# Altium PCB PROC114E3_BRD.PcbDoc (part 11 of 18) (continued)
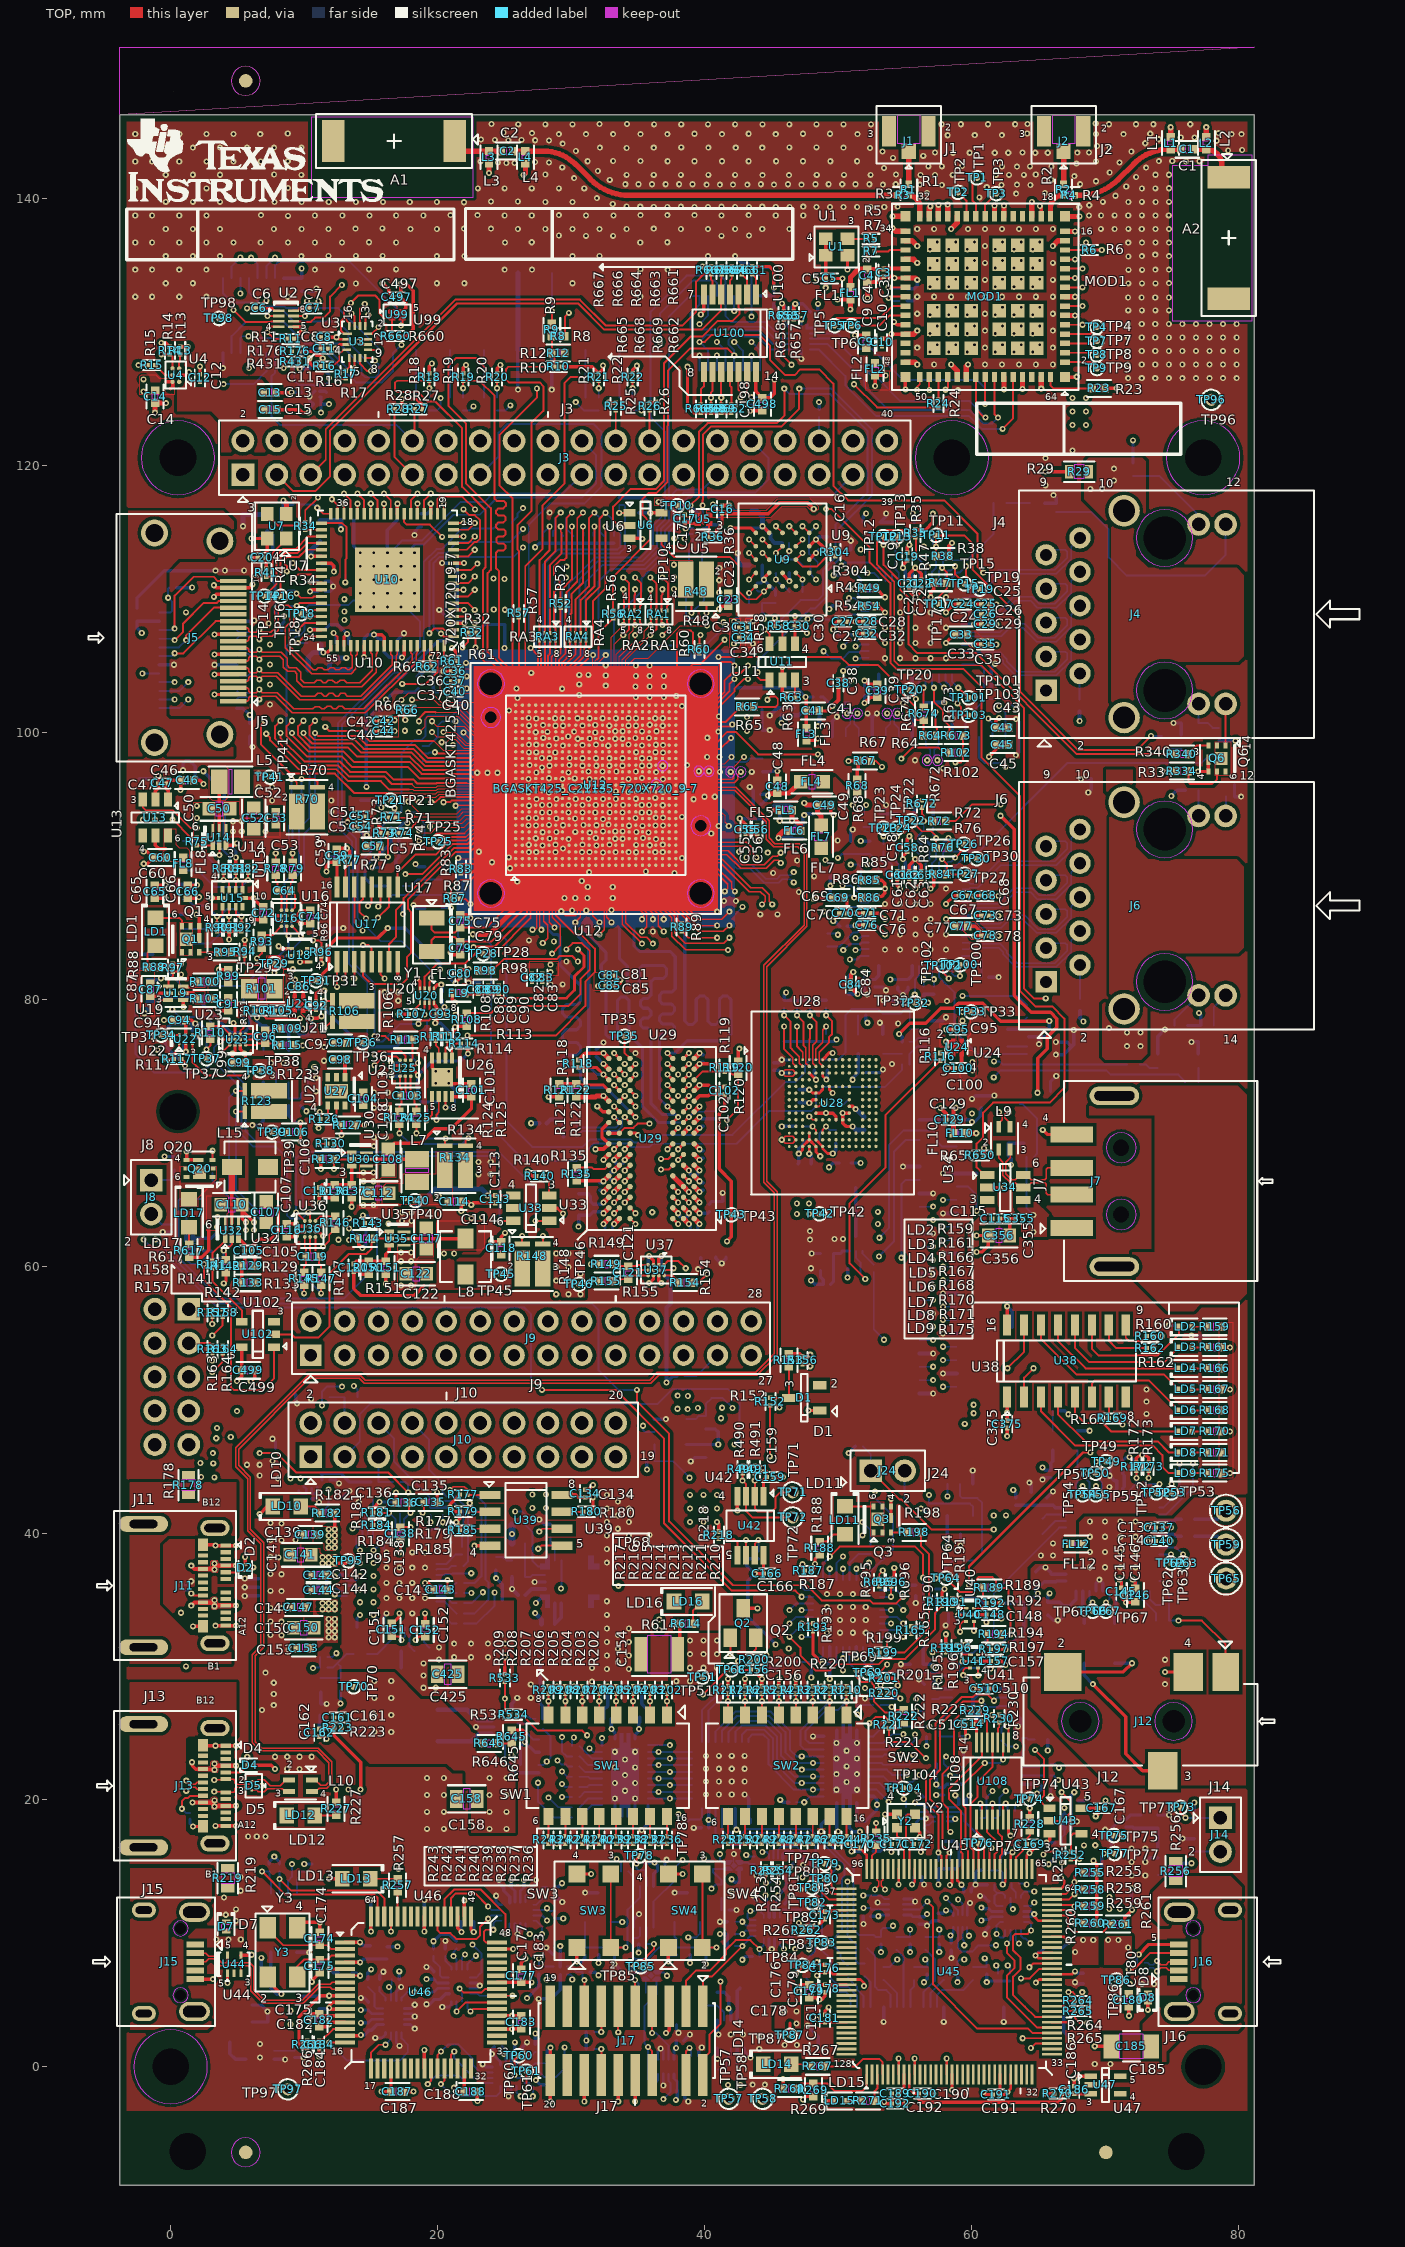
[diagram p0: TOP view]
## Nets (pads, with @x,y where several pads share a name; then routed paths per layer and width w, separated by ;. In a path a pad name is that pad's centre, name@x,y a point inside that pad or via, vN(x,y) a via of type N, cw(c..) or ccw(c..) an arc to the next point about the centre after c; other vN are vias at no path point) (continued)
  BOTTOM w0.147: 15.577,48.247 16.727,47.096 16.727,45.375 19.688,42.414 21.11,42.414 21.948,41.577 21.948,40.312 21.819,40.183 21.819,38.966 ; v1(19.927,70.956) 19.995,71.024 19.995,71.739 ; v1(53.086,60.731) 54.204,61.849 54.204,68.555 55.108,69.459 56.112,69.459
SOC_I2C0_SDA:  | length 211
  TOP w0.081: 22.65,97.196 23.005,97.55 25.856,97.55 25.861,97.545
  TOP w0.147: v1(9.953,100.874) 9.549,100.47 9.549,99.792 10.479,98.862 13.303,98.862 13.979,98.186 17.935,98.186 18.926,97.196 22.65,97.196 ; v1(19.166,70.917) 19.592,71.343 19.592,72.705
  L03_SIG1 w0.091: v1(9.953,100.874) 9.953,105.311 11.399,106.757 11.399,115.315 9.438,117.277 9.438,122.293 10.075,122.93 31.257,122.93 31.891,122.296 31.891,119.009 32.838,118.062 33.876,118.062 34.802,118.988 34.802,119.717 35.458,120.373 37.378,120.373 38.437,119.314 ; 18.117,48.247 19.213,49.342 19.213,66.953 19.432,67.172 19.432,70.651 v1(19.166,70.917)
  L08_SIG2 w0.091: v1(9.953,100.874) 10.339,100.487 10.339,99.089 14.424,95.005 17.075,95.005 17.684,94.395 17.921,94.395 18.151,94.165 18.151,93.071 18.045,92.964 18.045,91.505 18.922,90.627 18.922,83.682 17.898,82.658 17.898,77.225 18.129,76.994 18.129,71.953 v1(19.166,70.917) ; 18.117,48.247 19.345,47.018 37.976,47.018 38.751,47.794 44.749,47.794 52.654,55.699 52.654,61.671 v1(53.111,62.128)
  BOTTOM w0.147: 18.117,48.247 19.369,46.995 19.369,44.739 20.389,43.719 20.389,43.043 20.698,42.733 21.345,42.733 22.301,41.777 22.301,37.869 21.948,37.515 ; v1(19.166,70.917) 19.233,70.984 19.233,71.739 ; v1(53.111,62.128) 53.848,62.865 53.848,69.088 54.915,70.155 57.099,70.155 57.506,69.748 57.506,69.291 57.838,68.959 58.912,68.959
SOC_I2C1_SCL:  | length 326.8
  TOP w0.081: 22.468,98.08 22.682,98.294 26.111,98.294 26.36,98.045
  TOP w0.147: v1(3.718,75.93) 3.767,75.93 4.422,76.585 ; 5.222,77.385 5.222,77.63 5.47,77.878 v1(5.47,78.216) ; 9.101,85.469 9.756,84.814 v1(9.756,84.764) ; v1(9.406,64.032) 10.05,63.388 ; v1(10.817,99.959) 11.03,99.746 13.969,99.746 14.644,99.07 18.302,99.07 19.293,98.08 22.468,98.08 ; v1(15.276,75.057) 15.946,75.728 16.898,75.728 17.191,75.435 ; 17.991,75.035 18.335,75.035 v1(18.525,75.226) ; v1(20.258,107.401) 20.469,107.19 21.195,107.19 ; v1(27.335,63.398) 28.364,63.398 ; 36.983,60.1 37.269,60.386 38.058,60.386 v1(38.603,59.841) ; v1(39.867,117.011) 39.867,117.415 39.88,117.427 39.88,122.303 40.508,122.931 45.786,122.931 47.106,124.251 v1(47.106,125.766) ; 43.776,44.488 v1(43.776,43.926) 43.776,42.745 43.776,41.847 44.018,41.605 45.06,41.605 45.314,41.859 45.314,42.697 45.669,43.053 46.609,43.053 ; v1(43.994,104.511) 43.994,104.137 44.2,103.932 44.89,103.932
  L03_SIG1 w0.091: v1(10.817,99.959) 11.203,100.345 11.203,101.519 16.483,106.799 19.656,106.799 v1(20.258,107.401) ; v1(27.335,63.398) 29.078,61.656 37.277,61.656 38.603,60.33 v1(38.603,59.841) 38.603,59.465 40.547,57.521 43.895,57.521 44.897,56.519 44.897,52.803 43.25,51.156 42.455,51.156 40.284,48.985 40.284,45.822 41.377,44.729 42.973,44.729 v1(43.776,43.926) 43.776,42.278 41.707,40.208 41.707,34.611 45.697,30.621 v1(50.392,30.621) ; 46.609,43.053 45.466,41.91 45.466,38.202 47.066,36.601 48.692,36.601 49.708,35.585 49.708,35.204 49.962,34.95 52.4,34.95 52.73,34.62 52.73,32.334 53.67,31.394 55.905,31.394 56.769,30.531 57.226,30.531 59.868,27.889 62.408,27.889 63.119,28.6 63.119,31.953 63.398,32.233 63.398,39.192 66.37,42.164 70.485,42.164 71.78,43.459 71.78,44.272 72.365,44.856 75.238,44.856 v1(75.604,45.223)
  L08_SIG2 w0.091: v1(5.47,78.216) 4.993,78.693 4.25,78.693 3.341,77.785 3.341,76.306 v1(3.718,75.93) 4.15,76.363 5.932,76.363 6.608,75.687 11.252,75.687 11.339,75.773 14.559,75.773 v1(15.276,75.057) ; v1(26.411,113.863) 25.803,114.472 25.803,117.27 26.724,118.192 38.686,118.192 v1(39.867,117.011) 39.021,116.164 38.555,116.164 38.17,115.779 38.17,114.86 v1(38.502,114.528)
  BOTTOM w0.147: v1(3.718,75.93) 3.718,75.473 5.618,73.572 5.618,70.108 6.409,69.317 8.179,69.317 9.406,68.089 ; v1(5.47,78.216) 5.47,80.447 7.583,82.56 7.913,82.56 9.756,84.403 v1(9.756,84.764) 9.055,85.465 9.055,88.838 9.989,89.771 9.989,92.381 10.817,93.209 v1(10.817,99.959) ; v1(9.406,64.032) 9.406,68.089 ; v1(15.276,75.057) 16.14,75.922 17.829,75.922 v1(18.525,75.226) ; v1(20.258,107.401) 19.685,107.974 19.685,112.661 20.174,113.15 25.698,113.15 v1(26.411,113.863) ; v1(27.335,63.398) 27.335,65.823 24.597,68.562 9.879,68.562 9.406,68.089 ; v1(38.502,114.528) 38.858,114.884 39.114,114.884 ; v1(39.867,117.011) 39.867,116.607 39.879,116.595 39.879,116.573 39.914,116.539 39.914,115.684 ; v1(43.994,104.511) 43.994,105.326 47.949,109.281 48.267,109.281 49.201,110.216 49.201,112.08 50.125,113.003 50.125,113.265 50.124,115.33 52.546,117.752 52.546,122.731 49.511,125.766 v1(47.106,125.766) ; v1(50.392,30.621) 50.392,31.472 ; 75.604,44.664 v1(75.604,45.223)
SOC_I2C1_SDA:  | length 333.7
  TOP w0.081: 22.696,98.003 22.738,98.045 25.861,98.045
  TOP w0.147: v1(3.718,76.844) 3.858,76.985 4.422,76.985 ; 8.701,85.469 8.701,84.905 v1(8.841,84.764) ; v1(10.31,64.032) 10.45,63.892 10.45,63.388 ; v1(10.817,100.874) 10.413,100.47 10.413,99.792 10.753,99.451 13.781,99.451 14.456,98.776 18.18,98.776 19.17,97.785 22.496,97.785 22.696,97.985 22.696,98.003 ; v1(15.276,75.819) 15.561,76.105 17.266,76.105 17.591,75.78 17.591,75.435 ; v1(19.386,107.436) 19.735,107.785 20.417,107.785 20.512,107.69 21.195,107.69 ; v1(24.635,63.398) 25.664,63.398 ; 36.983,59.7 37.548,59.7 v1(37.688,59.841) ; v1(38.953,117.011) 39.585,117.642 39.585,122.516 40.249,123.18 45.419,123.18 45.988,123.749 v1(45.988,125.766) ; 42.862,44.488 v1(42.862,43.926) 43.126,43.662 43.126,42.745 43.126,41.634 43.586,41.173 46.609,41.173 ; v1(44.522,107.721) 44.89,107.353 44.89,106.632
  L03_SIG1 w0.091: v1(10.817,100.874) 10.817,101.405 16.403,106.992 18.942,106.992 v1(19.386,107.436) ; v1(24.635,63.398) 26.161,63.398 28.183,61.377 37.251,61.377 37.688,60.94 v1(37.688,59.841) 40.201,57.328 43.815,57.328 44.704,56.439 44.704,52.883 43.17,51.349 42.375,51.349 40.078,49.051 40.078,45.419 41.224,44.272 42.516,44.272 v1(42.862,43.926) 42.862,42.887 41.478,41.504 41.478,34.018 44.21,31.286 44.21,30.669 44.694,30.185 48.116,30.185 48.595,29.706 v1(50.392,29.706) ; 46.609,41.173 45.872,40.437 45.872,38.202 47.219,36.855 48.768,36.855 49.632,35.992 52.299,35.992 53.01,35.281 53.01,32.41 53.772,31.648 57.074,31.648 58.09,30.632 58.09,29.997 59.207,28.88 61.443,28.88 62.001,29.439 62.001,32.639 62.763,33.401 62.763,39.091 66.103,42.431 70.421,42.431 71.552,43.561 71.552,44.501 72.263,45.212 74.803,45.212 75.235,45.644 76.199,45.644 v1(76.62,45.223)
  L08_SIG2 w0.091: v1(3.718,76.844) 6.086,76.844 7.05,75.88 10.987,75.88 11.144,76.037 14.681,76.037 14.9,75.819 v1(15.276,75.819) ; v1(26.411,115.245) 26.035,115.621 26.035,117.083 26.945,117.992 37.972,117.992 v1(38.953,117.011)
  BOTTOM w0.147: v1(3.718,76.844) 3.24,76.366 3.24,75.373 ; v1(10.817,100.874) 10.413,100.47 10.413,93.617 9.627,92.831 9.627,89.886 8.524,88.783 8.524,85.081 v1(8.841,84.764) 8.841,83.975 7.924,83.057 7.581,83.057 5.523,80.999 0.82,80.999 -0.491,82.311 -2.469,82.311 -2.65,82.13 -2.65,75.914 -1.267,74.531 2.398,74.531 3.24,75.373 ; v1(19.386,107.436) 19.386,112.779 20.052,113.445 20.652,113.445 21.482,114.275 25.441,114.275 v1(26.411,115.245) ; v1(24.635,63.398) 24.635,67.905 24.273,68.267 10.379,68.267 9.883,67.77 9.883,64.459 v1(10.31,64.032) 9.866,63.589 8.952,63.589 8.716,63.824 8.716,68.135 7.886,68.965 6.207,68.965 5.323,69.848 5.323,73.29 3.24,75.373 ; v1(38.953,117.011) 39.514,116.45 39.514,115.684 ; v1(44.522,107.721) 45.021,107.721 47.216,109.916 48.485,109.916 48.892,110.323 48.892,112.187 49.83,113.125 49.83,115.586 52.229,117.985 52.229,122.57 49.438,125.362 46.392,125.362 v1(45.988,125.766) ; 49.891,31.472 49.891,30.206 v1(50.392,29.706) ; 76.62,44.664 v1(76.62,45.223)
SOC_I2C1_TA_SCL:  | length 46
  TOP w0.147: 43.776,38.345 43.776,39.212 v1(44.041,39.476)
  L03_SIG1 w0.091: v1(44.041,39.476) 44.041,38.967 46.939,36.068 47.523,36.068 48.539,35.052 48.539,32.487 49.022,32.004 51.46,32.004 51.74,31.725 52.4,31.725 53.238,30.886 53.238,30.048 53.797,29.489 54.788,29.489 55.499,28.778 55.499,27.915 v1(55.855,27.559) 56.312,27.102 56.312,26.365 55.918,25.971 55.004,25.971 53.645,24.613 53.645,21.158 52.426,19.939 52.426,15.977 50.724,14.275 v1(50.724,13.873)
  BOTTOM w0.147: 44.041,38.625 v1(44.041,39.476) ; v1(50.724,13.873) 50.724,9.778 51.374,9.128 51.374,7.888 51.523,7.739 52.016,7.739 ; v1(55.855,27.559) 56.489,27.559
SOC_I2C1_TA_SDA:  | length 46.3
  TOP w0.147: 43.126,38.345 v1(43.126,39.476)
  L03_SIG1 w0.091: v1(43.126,39.476) 46.804,35.799 47.386,35.799 48.311,34.874 48.311,32.36 48.946,31.725 51.41,31.725 51.664,31.471 52.27,31.471 53.02,30.721 53.02,29.936 53.721,29.235 54.635,29.235 55.169,28.702 55.169,27.356 v1(55.855,26.67) 55.143,26.67 53.315,24.841 53.315,21.107 52.095,19.888 52.095,16.561 50.48,14.945 v1(50.001,14.945)
  BOTTOM w0.147: 43.126,38.625 v1(43.126,39.476) ; 49.476,7.618 49.476,8.08 48.807,8.748 48.807,13.752 v1(50.001,14.945) ; v1(55.855,26.67) 56.489,26.67
SOC_I2C1_XDS_SCL:  | length 19.1
  TOP w0.147: 57.758,14.837 57.758,15.821 v1(57.536,16.043) 57.536,18.893 56.591,19.837 56.591,21.666 57.328,22.403 57.328,25.756 59.284,27.711 60.122,27.711 60.3,27.889 61.239,27.889 v1(61.697,27.432)
  BOTTOM w0.147: 57.536,15.413 v1(57.536,16.043) ; v1(61.697,27.432) 61.946,27.681 62.954,27.681
SOC_I2C1_XDS_SDA:  | length 18.7
  TOP w0.147: 58.158,14.837 58.158,15.821 v1(58.38,16.043) 57.861,16.561 57.861,19.101 56.921,20.041 56.921,21.514 57.658,22.25 57.658,25.629 59.411,27.381 60.706,27.381 v1(60.757,27.432)
  BOTTOM w0.147: v1(58.38,16.043) 58.425,15.997 58.425,15.413 ; v1(60.757,27.432) 61.239,26.949 61.976,26.949 62.058,27.031 62.954,27.031
SOC_I2C2_SCL:  | length 59.3
  TOP w0.102: v1(30.24,100.061) 30.36,100.181 30.36,100.545
  TOP w0.147: 42.56,127.021 42.56,125.646 42.704,125.502 v1(42.704,125.098)
  L08_SIG2 w0.091: v1(30.24,100.061) 31.17,100.061 31.333,100.223 31.333,100.627 31.047,100.913 31.047,101.294 30.269,102.071 30.269,103.605 28.262,105.612 26.642,105.612 25.348,106.906 22.109,106.906 20.762,108.253 20.762,109.14 19.303,110.599 19.303,115.438 20.103,116.238 20.103,117.371 20.603,117.871 21.223,117.871 21.894,118.541 21.894,122.664 23.014,123.785 30.261,123.785 30.603,123.443 41.049,123.443 v1(42.704,125.098)
  BOTTOM w0.147: v1(42.704,125.098) 43.207,124.595 43.53,124.595 43.766,124.359 44.194,124.359
SOC_I2C2_SDA:  | length 55.5
  TOP w0.081: 30.36,101.545 30.612,101.796 30.612,102.295 30.975,102.659 30.975,103.25 v1(30.625,103.601)
  TOP w0.147: 43.21,127.021 43.21,125.446 v1(43.535,125.121)
  L08_SIG2 w0.091: v1(30.625,103.601) 30.532,103.601 28.338,105.795 26.718,105.795 25.424,107.089 22.199,107.089 20.991,108.297 20.991,109.233 19.496,110.728 19.496,115.358 22.121,117.983 22.121,122.57 23.109,123.557 30.166,123.557 30.508,123.215 41.629,123.215 v1(43.535,125.121)
  BOTTOM w0.147: v1(43.535,125.121) 44.194,125.121
SOC_MMC0_CLK:  | length 5.2
  TOP w0.081: 36.36,89.685 36.36,90.045
  TOP w0.102: 36.36,89.685 36.461,89.584 36.461,87.834 38.012,86.283 38.012,85.964 38.292,85.685
SOC_MMC0_CMD:  | length 33.9
  TOP w0.102: v1(34.885,91.017) 34.913,91.045 35.361,91.045
  TOP w0.147: v1(48.11,70.472) 48.36,70.222 48.36,69.972
  L03_SIG1 w0.091: v1(42.864,86.929) 43.118,86.675 43.118,85.607 49.233,79.492 49.411,79.492 49.816,79.087 49.816,77.42 49.234,76.839 49.234,75.392 47.309,73.467 47.309,71.054 47.891,70.472 v1(48.11,70.472)
  BOTTOM w0.14: 47.412,70.472 v1(48.11,70.472)
  BOTTOM w0.147: v1(34.885,91.017) 34.885,89.676 38.444,86.116 42.051,86.116 v1(42.864,86.929)
SOC_MMC0_DAT0:  | length 36.1
  TOP w0.081: 35.86,90.545 36.111,90.294 36.111,89.876 36.161,89.827
  TOP w0.102: 36.161,89.827 36.161,87.826 37.776,86.21 37.776,84.981 38.557,84.2 41.462,84.2 v1(41.873,84.611) ; 47.179,76.228 47.36,76.047 47.36,75.472
  TOP w0.147: v1(46.94,77.954) 46.94,76.466 47.179,76.228
  L03_SIG1 w0.091: v1(41.873,84.611) 41.873,84.523 43.57,82.827 43.57,74.005 44.362,73.213 45.89,73.213 47.357,74.68 47.357,76.035 45.556,77.836 45.556,78.202 45.734,78.379 46.515,78.379 v1(46.94,77.954)
  BOTTOM w0.147: 46.94,77.395 v1(46.94,77.954)
SOC_MMC0_DAT1:  | length 35.6
  TOP w0.081: 35.86,90.045 35.86,89.868 35.961,89.768 35.961,89.281
  TOP w0.102: 35.961,89.281 35.836,89.156 35.836,87.855 37.565,86.126 37.565,84.735 38.603,83.697 v1(41.772,83.697) ; 47.86,75.472 47.86,76.794
  TOP w0.147: 47.86,76.794 47.86,77.015 47.906,77.061 v1(47.906,77.954)
  L03_SIG1 w0.091: v1(41.772,83.697) 43.016,82.452 43.016,76.109 42.432,75.524 42.432,72.934 43.219,72.146 45.6,72.146 47.906,74.452 v1(47.906,77.954)
  BOTTOM w0.147: 47.906,77.395 v1(47.906,77.954)
SOC_MMC0_DAT2:  | length 35.7
  TOP w0.102: 35.86,91.045 36.286,91.045 36.302,91.029 v1(36.318,91.029) ; 48.36,75.472 48.36,76.271 48.579,76.49
  TOP w0.147: 48.579,76.49 48.871,76.781 48.871,77.7 v1(49.125,77.954)
  L03_SIG1 w0.091: v1(36.318,91.029) 37.477,89.87 38.975,89.87 39.113,90.009 39.113,90.931 39.252,91.069 39.447,91.069 39.586,90.931 39.586,90.009 39.724,89.87 39.92,89.87 40.058,90.009 40.058,90.931 40.197,91.069 40.392,91.069 40.531,90.931 40.531,90.009 40.669,89.87 40.888,89.87 41.107,89.651 41.107,87.187 41.289,87.005 42.254,87.005 42.935,86.324 42.935,85.402 49.12,79.217 49.298,79.217 49.541,78.974 49.541,77.534 48.96,76.952 48.96,75.506 48.749,75.296 48.325,75.296 48.18,75.441 48.18,77.009 v1(49.125,77.954)
  BOTTOM w0.147: 49.125,77.395 v1(49.125,77.954)
SOC_MMC0_DAT3:  | length 35.8
  TOP w0.102: 35.361,91.545 v1(35.903,91.545) ; 46.293,75.945 46.61,75.629 46.61,75.222 46.86,74.972
  TOP w0.147: v1(45.975,77.954) 45.975,76.263 46.293,75.945
  L03_SIG1 w0.091: v1(35.903,91.545) 35.903,90.613 36.436,90.08 36.436,88.911 40.311,85.037 41.124,85.037 41.518,84.643 41.518,84.186 41.63,84.073 41.936,84.073 43.296,82.713 43.296,73.365 43.981,72.68 45.745,72.68 47.631,74.566 47.631,76.298 v1(45.975,77.954)
  BOTTOM w0.147: 45.975,77.395 v1(45.975,77.954)
SOC_MMC0_DAT4:  | length 35.8
  TOP w0.081: 36.36,90.545 36.612,90.294 36.612,89.766 36.744,89.633
  TOP w0.102: 36.744,89.633 36.744,87.867 39.53,85.081 41.429,85.081 v1(41.873,85.526) ; 46.585,76.237 47.11,75.713 47.11,75.222 47.36,74.972
  TOP w0.147: v1(45.975,78.801) 46.458,78.318 46.458,76.365 46.585,76.237
  L03_SIG1 w0.091: v1(41.873,85.526) 41.873,85.114 42.587,84.4 42.587,84.197 43.874,82.91 43.874,74.089 44.471,73.492 45.782,73.492 47.083,74.793 47.083,75.921 45.282,77.722 45.282,78.476 45.607,78.801 v1(45.975,78.801)
  BOTTOM w0.147: v1(45.975,78.801) 45.975,79.36
SOC_MMC0_DAT5:  | length 35.8
  TOP w0.081: 36.86,90.045 36.86,89.776 36.924,89.712
  TOP w0.102: 36.924,89.712 37.05,89.587 37.05,87.886 39.41,85.526 v1(40.959,85.526) ; 47.507,76.459 47.61,76.356 47.61,75.222 47.86,74.972
  TOP w0.14: v1(46.94,78.801) 47.423,78.318 47.423,76.543 47.507,76.459
  L03_SIG1 w0.091: v1(40.959,85.526) 41.321,85.888 42.007,85.888 42.013,85.881 42.02,85.881 42.33,85.571 42.33,84.973 42.35,84.953 42.35,84.952 42.862,84.44 42.862,84.311 44.149,83.024 44.149,74.24 44.566,73.823 45.724,73.823 46.801,74.9 46.801,75.815 45.008,77.608 45.008,78.811 45.373,79.177 46.565,79.177 v1(46.94,78.801)
  BOTTOM w0.147: v1(46.94,78.801) 46.94,79.36
SOC_MMC0_DAT6:  | length 35.7
  TOP w0.081: 37.361,90.545 37.611,90.295 38.012,90.295
  TOP w0.102: 38.012,90.295 38.157,90.15 38.157,87.419 39.136,86.44 40.832,86.44 v1(40.959,86.567) ; 48.274,76.707 48.11,76.543 48.11,75.222 48.36,74.972
  TOP w0.147: v1(47.906,78.801) 48.388,78.318 48.388,76.821 48.274,76.707
  L03_SIG1 w0.091: v1(40.959,86.567) 41.384,86.142 42.127,86.142 42.534,85.735 42.534,85.1 43.136,84.498 43.136,84.425 44.423,83.138 44.423,74.372 44.698,74.097 45.17,74.097 45.404,74.331 45.404,76.824 44.733,77.494 44.733,79.273 44.911,79.451 47.255,79.451 v1(47.906,78.801)
  BOTTOM w0.147: v1(47.906,78.801) 47.906,79.36
SOC_MMC0_DAT7:  | length 35.6
  TOP w0.081: 36.86,90.545 37.111,90.295 37.111,89.878
  TOP w0.102: 37.111,89.878 37.366,89.623 37.366,87.869 39.253,85.982 41.288,85.982 v1(41.873,86.567) ; 48.859,76.287 48.601,76.029 48.601,75.231 48.86,74.972
  TOP w0.147: 48.859,76.287 49.353,76.781 49.353,77.184 49.569,77.4 49.569,78.356 v1(49.125,78.801)
  L03_SIG1 w0.091: v1(41.873,86.567) 42.26,86.567 42.752,86.075 42.752,85.197 44.697,83.252 44.697,82.814 44.82,82.691 45.231,82.691 45.354,82.569 45.354,82.395 45.231,82.272 44.82,82.272 44.697,82.149 44.697,81.81 44.82,81.687 46.239,81.687 46.361,81.565 46.361,81.391 46.239,81.268 44.82,81.268 44.697,81.146 44.697,80.972 44.82,80.849 45.629,80.849 45.752,80.727 45.752,80.553 45.629,80.43 44.82,80.43 44.697,80.307 44.697,79.939 44.845,79.792 46.579,79.792 46.701,79.914 46.701,80.736 46.824,80.858 47.08,80.858 47.207,80.731 47.207,79.888 47.532,79.563 47.781,79.563 47.997,79.778 48.17,79.778 48.294,79.655 48.294,78.502 48.477,78.318 48.985,78.318 49.125,78.458 v1(49.125,78.801)
  BOTTOM w0.147: v1(49.125,78.801) 49.125,79.36
SOC_MMC2_CLK:  | length 7.1
  TOP w0.081: 27.361,102.045 27.361,102.616
  TOP w0.147: 26.09,108.643 26.09,104.847 27.361,103.576 27.361,102.616
SOC_OSPI_DQ0:  | length 5
  TOP w0.081: 27.758,103.94 27.86,103.837 27.86,102.045
  TOP w0.147: 27.645,106.909 27.645,106.144 27.758,106.03 27.758,103.94
SOC_OSPI_DQ1:  | length 5.6
  TOP w0.081: 28.538,104.277 28.612,104.204 28.612,101.794 28.86,101.545
  TOP w0.147: 28.538,104.277 28.538,105.627 28.844,105.933 28.844,106.909
SOC_OSPI_DQ2:  | length 5
  TOP w0.081: 28.294,104.14 28.361,104.074 28.361,102.045
  TOP w0.147: 28.294,104.14 28.294,105.764 28.444,105.914 28.444,106.909
SOC_OSPI_DQ3:  | length 5.5
  TOP w0.081: 28.045,104.023 28.111,103.957 28.111,101.795 28.36,101.545
  TOP w0.147: 28.045,104.023 28.045,106.909
SOC_OSPI_DQ4:  | length 6.5
  TOP w0.081: 29.797,103.629 29.882,103.544 29.882,103.028 29.61,102.756 29.61,101.421 29.727,101.304 29.727,101.178 29.86,101.045
  TOP w0.147: 29.797,103.629 29.797,104.859 30.727,105.789 30.727,106.909
SOC_OSPI_DQ5:  | length 5.4
  TOP w0.081: 29.86,102.045 29.86,102.777 30.069,102.985 30.069,103.634 30.026,103.678
  TOP w0.147: 30.026,103.678 30.026,104.733 31.01,105.717 31.01,106.294 31.127,106.412 31.127,106.909
SOC_OSPI_DQ6:  | length 5.4
  TOP w0.081: 29.361,102.045 29.361,102.737 29.716,103.093 29.716,103.434 29.568,103.581
  TOP w0.147: 29.568,103.581 29.568,105.063 30.328,105.822 30.328,106.909
SOC_OSPI_DQ7:  | length 6.8
  TOP w0.147: v1(29.34,103.273) 29.34,105.233 29.928,105.82 29.928,106.909 ; v1(29.377,101.061) 29.552,100.886 29.564,100.886 29.788,100.661 29.788,100.65 29.86,100.577 29.86,100.545
  L08_SIG2 w0.091: v1(29.34,103.273) 29.34,102.897 29.377,102.86 v1(29.377,101.061)
SOC_PORZ:  | length 47.1
  L08_SIG2 w0.091: v1(27.598,8.113) 28.803,8.113 31.886,11.195 31.886,19.644 30.632,20.898 30.632,24.892 31.178,25.438 32.322,25.438 32.893,24.867 35.789,24.867 36.678,25.755 51.591,25.755 52.456,26.62 52.456,27.959 v1(52.039,28.376)
  BOTTOM w0.147: v1(27.598,8.113) 27.598,7.498 28.699,7.498 ; v1(52.039,28.376) 52.316,28.099 52.602,28.099
SOC_RGMII_MDC:  | length 44.4
  TOP w0.081: 37.361,101.545 37.612,101.796 37.612,102.148 37.757,102.294 38.13,102.294 38.266,102.431 38.266,102.941
  TOP w0.147: 38.266,102.941 38.266,104.254 39.149,105.136 39.71,105.136 v1(41.518,106.944) ; v1(58.806,97.761) 59.218,97.761 59.365,97.908 59.365,98.487 59.365,99.757
  L08_SIG2 w0.091: v1(41.518,106.944) 41.732,107.159 44.708,107.159 45.912,108.363 45.912,108.664 46.504,109.256 46.802,109.256 49.052,111.505 49.052,112.077 49.854,112.879 56.853,112.879 57.133,112.598 57.133,112.249 57.587,111.796 57.587,101.927 58.038,101.476 58.038,100.899 58.806,100.131 v1(58.806,97.761)
SOC_RGMII_MDIO:  | length 27.6
  TOP w0.147: 36.361,100.545 v1(36.876,101.061) ; v1(41.06,105.649) 50.222,105.649 50.806,105.065 52.977,105.065 54.708,103.334 54.708,102.995 55.833,101.87 55.833,101.022 55.943,100.912 56.435,100.912 56.435,99.757
  L08_SIG2 w0.091: v1(36.876,101.061) 37.41,101.594 37.41,103.787 37.78,104.158 37.78,104.375 39.232,105.827 40.883,105.827 v1(41.06,105.649)
SOC_SPI2_CLK:  | length 61.3
  TOP w0.081: v1(20.442,100.022) 21.347,100.022 22.183,99.186 25.116,99.186 25.475,99.545 25.861,99.545
  TOP w0.147: 14.594,128.072 15.108,128.072 v1(15.316,127.864)
  L08_SIG2 w0.091: v1(15.316,127.864) 15.545,127.635 15.545,126.924 14.49,125.869 10.384,125.869 9.818,125.303 9.818,123.24 9.438,122.86 9.438,118.203 10.257,117.385 10.257,117.039 13.562,113.733 13.562,107.578 15.919,105.221 17.92,105.221 19.497,103.644 19.497,103.055 19.939,102.612 19.939,100.526 v1(20.442,100.022)
  BOTTOM w0.147: 4.571,128.444 4.571,129.699 5.631,130.758 8.478,130.758 10.077,129.159 12.624,129.159 14.3,127.483 14.3,126.898 14.58,126.619 15.342,126.619 15.57,126.848 15.57,127.61 v1(15.316,127.864)
SOC_SPI2_CS0:  | length 58
  TOP w0.102: v1(27.402,99.083) 27.44,99.045 27.86,99.045
  TOP w0.147: v1(13.794,127.277) 13.794,128.072
  L03_SIG1 w0.091: v1(21.156,99.053) 21.698,98.511 22.609,98.511 22.706,98.607 25.862,98.607 26.776,99.521 26.964,99.521 v1(27.402,99.083)
  L08_SIG2 w0.091: v1(13.794,127.277) 13.794,127.928 14.891,129.025 15.672,129.025 16.094,128.602 16.094,126.604 11.749,122.259 11.749,118.795 11.619,118.664 11.619,117.387 14.66,114.346 14.66,107.142 15.557,106.244 17.654,106.244 20.307,103.591 20.644,103.591 20.817,103.419 20.817,100.596 20.985,100.428 20.985,99.224 v1(21.156,99.053)
  BOTTOM w0.147: 6.521,128.444 6.521,129.42 6.665,129.564 9.115,129.564 9.887,128.791 11.727,128.791 13.241,127.277 v1(13.794,127.277)
SOC_SPI2_D0:  | length 62.9
  TOP w0.081: v1(19.579,100.022) 19.943,99.658 21.43,99.658 22.065,99.023 25.232,99.023 25.504,99.295 26.11,99.295 26.36,99.045
  TOP w0.147: 14.194,128.072 14.194,127.614 14.707,127.102 v1(15.011,127.102)
  L08_SIG2 w0.091: v1(15.011,127.102) 14.053,126.144 10.27,126.144 9.209,125.083 9.209,117.674 12.643,114.24 12.643,107.674 12.781,107.536 12.781,105.375 13.21,104.946 17.789,104.946 19.191,103.544 19.191,100.41 v1(19.579,100.022)
  BOTTOM w0.147: 3.921,134.044 3.921,132.902 4.592,132.231 6.139,132.231 6.754,131.616 8.421,131.616 9.243,130.795 12.487,130.795 13.335,129.946 13.335,129.21 15.011,127.533 v1(15.011,127.102)
SOC_SPI2_D1:  | length 56
  TOP w0.081: v1(20.314,99.266) 20.684,99.266 20.891,99.472 21.317,99.472 21.96,98.829 25.369,98.829 25.584,99.045 25.861,99.045
  TOP w0.147: 14.794,128.672 15.423,128.672 15.507,128.587 v1(15.557,128.587)
  L08_SIG2 w0.091: v1(15.557,128.587) 15.824,128.32 15.824,126.682 11.556,122.414 11.556,118.875 11.424,118.743 11.424,117.309 13.837,114.896 13.837,107.692 15.525,106.003 17.536,106.003 19.696,103.843 19.696,103.133 20.151,102.677 20.151,100.957 20.802,100.306 20.802,99.754 v1(20.314,99.266)
  BOTTOM w0.147: 5.871,134.044 5.871,132.976 6.936,131.911 8.543,131.911 8.649,131.804 12.57,131.804 15.58,128.794 15.58,128.61 v1(15.557,128.587)
SOC_TCK:  | length 144
  TOP w0.114: v1(21.355,94.508) 21.392,94.545 25.861,94.545
  L03_SIG1 w0.091: v1(39.51,49.376) 39.185,49.051 39.185,48.82 37.875,47.51 37.875,36.96 43.646,31.188 43.646,30.522 44.907,29.261 44.907,28.981 45.491,28.397 48.311,28.397 48.971,27.737 48.971,26.772 49.428,26.314 49.428,19.229 48.106,17.906 48.106,12.238 47.995,12.126 47.995,8.951 v1(47.842,8.799)
  L08_SIG2 w0.091: v1(21.355,94.508) 21.355,92.065 21.198,91.907 21.198,90.322 21.413,90.106 21.413,88.034 20.589,87.21 20.589,83.067 20.933,82.723 20.933,80.111 20.922,80.1 20.922,76.082 21.887,75.117 21.887,70.602 21.454,70.17 21.454,67.323 22.549,66.228 24.084,66.228 25.219,65.093 29.747,65.093 31.394,63.445 31.394,62.669 34.679,59.385 36.644,59.385 37.81,58.219 44.263,58.219 45.588,56.894 45.588,52.242 43.978,50.632 40.767,50.632 v1(39.51,49.376) ; v1(47.842,8.799) 47.842,9.744 48.025,9.927 48.025,11.013 48.249,11.237 48.757,11.237 52.271,14.751 63.055,14.751 v1(64.149,13.656)
  BOTTOM w0.147: 47.461,9.484 47.461,9.129 47.791,8.799 v1(47.842,8.799) ; 63.591,13.752 64.054,13.752 v1(64.149,13.656)
SOC_TDI:  | length 151.9
  TOP w0.147: v1(19.528,94.771) 19.845,94.771 20.231,95.157 25.231,95.157 25.344,95.045 25.861,95.045
  L03_SIG1 w0.091: v1(37.987,49.312) 37.987,48.609 37.215,47.837 37.215,47.783 37.215,36.571 42.94,30.846 42.94,29.656 41.3,28.016 41.3,25.959 44.616,22.643 44.616,19.441 46.049,18.009 46.049,14.847 46.217,14.679 46.217,13.154 45.963,12.9 v1(45.963,8.811)
  L08_SIG2 w0.091: v1(19.528,94.771) 19.783,94.516 19.783,83.355 19.145,82.718 19.145,80.955 19.713,80.387 19.713,78.913 20.232,78.395 20.232,75.837 21.226,74.843 21.226,70.877 20.028,69.678 20.028,67.815 22.292,65.551 22.935,65.551 22.959,65.527 ; 22.96,65.527 24.063,64.424 27.98,64.424 29.887,62.517 30.54,62.517 35.498,57.559 43.889,57.559 44.882,56.566 44.882,52.476 43.79,51.384 39.294,51.384 38.378,50.469 38.378,49.703 v1(37.987,49.312) ; v1(45.963,8.811) 47.456,10.304 47.456,11.556 51.3,15.4 63.434,15.4 65.097,13.737 65.097,12.921 64.86,12.685 63.997,12.685 v1(63.12,11.808)
  BOTTOM w0.147: 45.648,9.598 45.648,9.125 v1(45.963,8.811) ; 62.934,12.64 62.934,11.995 v1(63.12,11.808)
SOC_TDO:  | length 153.8
  L03_SIG1 w0.091: v1(36.92,-2.428) 37.246,-2.103 38.817,-2.103 39.825,-3.112 45.076,-3.112 50.687,2.499 50.687,10.653 v1(51.932,11.897) 49.6,14.229 49.6,17.802 52.99,21.191 52.99,25.908 52.511,26.387 52.511,29.277 51.613,30.175 51.105,30.175 50.902,30.378 50.902,30.836 50.673,31.064 48.692,31.064 47.727,32.029 47.727,33.426 47.447,33.706 47.168,33.706 46.838,34.036 46.838,34.423 42.443,38.817 42.443,39.948 44.759,42.263 44.759,45.092 v1(41.25,48.6)
  L08_SIG2 w0.091: v1(18.614,91.882) 19.308,91.188 19.308,83.414 18.952,83.058 18.952,80.87 19.45,80.372 19.45,75.592 20.25,74.792 20.25,73.679 20.968,72.961 20.968,70.892 19.835,69.759 19.835,67.735 22.212,65.358 22.855,65.358 23.983,64.231 27.818,64.231 29.733,62.315 30.456,62.315 35.406,57.366 43.752,57.366 44.679,56.439 44.679,52.553 43.739,51.613 38.214,51.613 37.002,50.402 37.002,49.382 37.784,48.6 v1(41.25,48.6)
  BOTTOM w0.147: 18.454,93.456 18.774,93.456 19.023,93.207 19.023,92.291 v1(18.614,91.882) ; v1(36.92,-2.428) 37.454,-1.895 37.454,-1.209 37.32,-1.076 37.32,-0.538 ; v1(51.932,11.897) 52.414,11.897 52.531,11.781 53.821,11.781
SOC_TMS:  | length 150.9
  TOP w0.081: 24.936,94.858 24.998,94.796 25.964,94.796 26.112,94.796 26.36,95.045
  TOP w0.147: v1(20.442,94.771) 20.937,94.771 21.078,94.912 24.882,94.912 24.936,94.858
  L03_SIG1 w0.091: v1(38.749,49.286) 38.749,48.772 37.601,47.624 37.601,36.845 43.372,31.074 43.372,29.957 43.631,29.697 43.631,28.83 44.337,28.123 48.197,28.123 48.697,27.623 48.697,26.658 49.154,26.201 49.154,19.487 47.066,17.399 47.066,16.146 47.803,15.409 47.803,12.569 47.69,12.456 47.69,9.7 v1(46.801,8.811)
  L08_SIG2 w0.091: v1(20.442,94.771) 20.442,87.451 20.315,87.323 20.315,82.808 20.658,82.464 20.658,80.878 20.143,80.363 20.143,79.195 20.618,78.72 20.618,75.997 21.612,75.003 21.612,70.716 21.18,70.284 21.18,67.209 22.448,65.941 23.974,65.941 25.097,64.819 29.633,64.819 31.19,63.261 31.19,62.486 35.731,57.945 44.138,57.945 45.314,56.769 45.314,52.356 43.865,50.907 40.369,50.907 v1(38.749,49.286) ; v1(46.801,8.811) 46.801,9.187 47.649,10.035 47.649,11.476 51.199,15.025 63.312,15.025 64.721,13.617 v1(64.721,13.142)
  BOTTOM w0.147: 46.248,9.798 46.461,9.798 46.775,9.484 46.775,8.836 v1(46.801,8.811) ; 63.733,12.64 63.733,12.853 64.022,13.142 v1(64.721,13.142)

## Text inside footprints (layer, text, board x,y; h text height)
U19: PIN_NUMBER "4" at 0.818,79.783 h0.25; PIN_NUMBER "2" at -0.332,80.283 h0.25; PIN_NUMBER "3" at -0.332,79.783 h0.25; PIN_NUMBER "1" at -0.342,80.893 h0.25; PIN_NUMBER "6" at 0.818,80.783 h0.25; PIN_NUMBER "5" at 0.818,80.283 h0.25; Top Overlay "6" at 1.398,80.892 h0.51; Top Overlay "4" at 1.398,79.648 h0.51; Top Overlay "3" at -1.079,79.756 h0.51
U20: PIN_NUMBER "4" at 18.354,80.61 h0.25 r270; PIN_NUMBER "8" at 19.404,79.71 h0.25 r270; PIN_NUMBER "6" at 18.704,79.71 h0.25 r270; PIN_NUMBER "3" at 18.704,80.61 h0.25 r270; PIN_NUMBER "7" at 19.054,79.71 h0.25 r270; PIN_NUMBER "2" at 19.054,80.61 h0.25 r270; PIN_NUMBER "5" at 18.354,79.71 h0.25 r270; PIN_NUMBER "1" at 19.404,80.56 h0.25 r270; Top Overlay "8" at 20.983,79.118 h0.51; Top Overlay "5" at 17.654,79.597 h0.51; Top Overlay "4" at 18.061,80.994 h0.51
U21: PIN_NUMBER "5" at 9.329,79.566 h0.25 r270; PIN_NUMBER "2" at 9.063,80.098 h0.25 r270; PIN_NUMBER "4" at 9.714,79.238 h0.25 r270; PIN_NUMBER "1" at 9.714,80.098 h0.25 r270; PIN_NUMBER "3" at 9.063,79.238 h0.25 r270; Top Overlay "4" at 10.096,78.359 h0.51; Top Overlay "3" at 9.398,78.549 h0.51 r90; Top Overlay "2" at 8.51,80.359 h0.51
U22: PIN_NUMBER "2" at 1.16,76.714 h0.25 r90; PIN_NUMBER "5" at 1.16,77.314 h0.25 r90; PIN_NUMBER "3" at 1.66,76.714 h0.25 r90; PIN_NUMBER "6" at 0.66,77.314 h0.25 r90; PIN_NUMBER "1" at 0.66,76.739 h0.25 r90; PIN_NUMBER "4" at 1.66,77.314 h0.25 r90; Top Overlay "4" at 1.754,77.641 h0.51; Top Overlay "3" at 1.474,75.787 h0.51; DISPLAY_TOP "6" at -4.49,76.959 h0.51 r90
U23: PIN_NUMBER "B2" at 4.746,76.985 h0.25 r90; PIN_NUMBER "C2" at 5.146,76.985 h0.25 r90; PIN_NUMBER "C1" at 5.146,76.585 h0.25 r90; PIN_NUMBER "A2" at 4.346,76.985 h0.25 r90; PIN_NUMBER "C3" at 5.146,77.385 h0.25 r90; PIN_NUMBER "A1" at 4.346,76.585 h0.25 r90; PIN_NUMBER "B3" at 4.746,77.385 h0.25 r90; PIN_NUMBER "B1" at 4.746,76.585 h0.25 r90; PIN_NUMBER "D2" at 5.546,76.985 h0.25 r90; PIN_NUMBER "D1" at 5.546,76.585 h0.25 r90; PIN_NUMBER "A3" at 4.346,77.385 h0.25 r90; PIN_NUMBER "D3" at 5.546,77.385 h0.25 r90; DISPLAY_BOTTOM "D" at -4.985,74.686 h0.51 r90; DISPLAY_BOTTOM "C" at -5.366,75.321 h0.51 r90; DISPLAY_BOTTOM "B" at -5.874,74.686 h0.51 r90; DISPLAY_BOTTOM "A" at -6.382,75.321 h0.51 r90; DISPLAY_BOTTOM "2" at -5.595,77.048 h0.51 r90; DISPLAY_BOTTOM "3" at -4.833,77.429 h0.51 r90; DISPLAY_BOTTOM "1" at -4.833,76.54 h0.51 r90
U24: PIN_NUMBER "5" at 58.678,76.296 h0.25 r270; PIN_NUMBER "2" at 58.412,76.828 h0.25 r270; PIN_NUMBER "1" at 59.062,76.828 h0.25 r270; PIN_NUMBER "4" at 59.062,75.968 h0.25 r270; PIN_NUMBER "3" at 58.412,75.968 h0.25 r270; Top Overlay "4" at 59.869,74.576 h0.64; Top Overlay "3" at 57.71,74.271 h0.64; Top Overlay "2" at 57.405,77.065 h0.64
U25: PIN_NUMBER "B2" at 17.388,74.908 h0.25; PIN_NUMBER "C2" at 17.388,74.508 h0.25; PIN_NUMBER "C1" at 16.988,74.508 h0.25; PIN_NUMBER "A2" at 17.388,75.308 h0.25; PIN_NUMBER "B3" at 17.788,74.908 h0.25; PIN_NUMBER "A1" at 16.988,75.308 h0.25; PIN_NUMBER "B1" at 16.988,74.908 h0.25; PIN_NUMBER "C3" at 17.788,74.508 h0.25; PIN_NUMBER "A3" at 17.788,75.308 h0.25; PIN_NUMBER "D2" at 17.388,74.108 h0.25; PIN_NUMBER "D1" at 16.988,74.108 h0.25; PIN_NUMBER "D3" at 17.788,74.108 h0.25; DISPLAY_BOTTOM "D" at -11.683,69.247 h0.51; DISPLAY_BOTTOM "C" at -11.048,69.628 h0.51; DISPLAY_BOTTOM "B" at -11.683,70.136 h0.51; DISPLAY_BOTTOM "A" at -11.048,70.644 h0.51; DISPLAY_BOTTOM "2" at -17.322,68.815 h0.51; DISPLAY_BOTTOM "3" at -16.941,68.053 h0.51; DISPLAY_BOTTOM "1" at -17.83,68.053 h0.51
U26: PIN_NUMBER "9" at 20.114,74.155 h0.25 r270; PIN_NUMBER "4" at 19.364,75.605 h0.25 r270; PIN_NUMBER "8" at 20.864,72.705 h0.25 r270; PIN_NUMBER "1" at 20.864,75.605 h0.25 r270; PIN_NUMBER "6" at 19.864,72.705 h0.25 r270; PIN_NUMBER "7" at 20.364,72.705 h0.25 r270; PIN_NUMBER "3" at 19.864,75.605 h0.25 r270; PIN_NUMBER "5" at 19.364,72.705 h0.25 r270; PIN_NUMBER "2" at 20.364,75.605 h0.25 r270; Top Overlay "8" at 21.007,71.621 h0.51; Top Overlay "5" at 19.432,71.672 h0.51; Top Overlay "4" at 18.924,75.965 h0.51
U27: PIN_NUMBER "2" at 12.196,74.154 h0.25 r270; PIN_NUMBER "3" at 11.546,74.154 h0.25 r270; PIN_NUMBER "7" at 12.196,73.103 h0.25 r270; PIN_NUMBER "6" at 12.846,72.053 h0.25 r270; PIN_NUMBER "1" at 12.846,74.154 h0.25 r270; PIN_NUMBER "4" at 11.546,72.053 h0.25 r270; PIN_NUMBER "5" at 12.196,72.053 h0.25 r270; Top Overlay "4" at 10.477,71.564 h0.64; Top Overlay "3" at 10.604,74.358 h0.64
U28: PIN_NUMBER "K8" at 49.657,70.845 h0.25; PIN_NUMBER "A6" at 48.657,75.345 h0.25; PIN_NUMBER "H10" at 50.555,71.845 h0.25; PIN_NUMBER "C4" at 47.657,74.345 h0.25; PIN_NUMBER "P4" at 47.657,68.845 h0.25; PIN_NUMBER "N2" at 46.657,69.345 h0.25; PIN_NUMBER "E7" at 49.157,73.345 h0.25; PIN_NUMBER "N5" at 48.157,69.345 h0.25; PIN_NUMBER "P6" at 48.657,68.845 h0.25; PIN_NUMBER "G5" at 48.157,72.345 h0.25; PIN_NUMBER "J5" at 48.157,71.345 h0.25; PIN_NUMBER "K9" at 50.157,70.845 h0.25; PIN_NUMBER "J10" at 50.555,71.345 h0.25; PIN_NUMBER "F5" at 48.157,72.845 h0.25; PIN_NUMBER "E6" at 48.657,73.345 h0.25; PIN_NUMBER "A3" at 47.157,75.345 h0.25; PIN_NUMBER "B6" at 48.657,74.845 h0.25; PIN_NUMBER "K5" at 48.157,70.845 h0.25; PIN_NUMBER "A4" at 47.657,75.345 h0.25; PIN_NUMBER "B5" at 48.157,74.845 h0.25; PIN_NUMBER "B4" at 47.657,74.845 h0.25; PIN_NUMBER "M6" at 48.657,69.845 h0.25; PIN_NUMBER "A5" at 48.157,75.345 h0.25; PIN_NUMBER "M5" at 48.157,69.845 h0.25; PIN_NUMBER "B2" at 46.657,74.845 h0.25; PIN_NUMBER "B3" at 47.157,74.845 h0.25; PIN_NUMBER "C2" at 46.657,74.345 h0.25; PIN_NUMBER "P10" at 50.555,68.845 h0.25; PIN_NUMBER "K10" at 50.555,70.845 h0.25; PIN_NUMBER "G10" at 50.555,72.345 h0.25; PIN_NUMBER "F10" at 50.555,72.845 h0.25; PIN_NUMBER "E10" at 50.555,73.345 h0.25; PIN_NUMBER "E9" at 50.157,73.345 h0.25; PIN_NUMBER "E8" at 49.657,73.345 h0.25; PIN_NUMBER "K7" at 49.157,70.845 h0.25; PIN_NUMBER "K6" at 48.657,70.845 h0.25; PIN_NUMBER "E5" at 48.157,73.345 h0.25; PIN_NUMBER "A7" at 49.157,75.345 h0.25; PIN_NUMBER "N13" at 52.055,69.345 h0.25; PIN_NUMBER "N12" at 51.555,69.345 h0.25; PIN_NUMBER "N11" at 51.055,69.345 h0.25; PIN_NUMBER "N10" at 50.555,69.345 h0.25; PIN_NUMBER "N9" at 50.157,69.345 h0.25; PIN_NUMBER "N8" at 49.657,69.345 h0.25; PIN_NUMBER "N7" at 49.157,69.345 h0.25; PIN_NUMBER "N6" at 48.657,69.345 h0.25; PIN_NUMBER "N3" at 47.157,69.345 h0.25; PIN_NUMBER "N1" at 46.157,69.345 h0.25; PIN_NUMBER "A14" at 52.555,75.345 h0.25; PIN_NUMBER "M14" at 52.555,69.845 h0.25; PIN_NUMBER "M13" at 52.055,69.845 h0.25; PIN_NUMBER "M12" at 51.555,69.845 h0.25; PIN_NUMBER "M11" at 51.055,69.845 h0.25; PIN_NUMBER "M10" at 50.555,69.845 h0.25; PIN_NUMBER "M9" at 50.157,69.845 h0.25; PIN_NUMBER "M8" at 49.657,69.845 h0.25; PIN_NUMBER "M7" at 49.157,69.845 h0.25; PIN_NUMBER "M3" at 47.157,69.845 h0.25; PIN_NUMBER "M2" at 46.657,69.845 h0.25; PIN_NUMBER "A13" at 52.055,75.345 h0.25; PIN_NUMBER "M1" at 46.157,69.845 h0.25; PIN_NUMBER "L14" at 52.555,70.345 h0.25; PIN_NUMBER "L13" at 52.055,70.345 h0.25; PIN_NUMBER "L12" at 51.555,70.345 h0.25; PIN_NUMBER "L3" at 47.157,70.345 h0.25; PIN_NUMBER "L2" at 46.657,70.345 h0.25; PIN_NUMBER "L1" at 46.157,70.345 h0.25; PIN_NUMBER "K14" at 52.555,70.845 h0.25; PIN_NUMBER "K13" at 52.055,70.845 h0.25; PIN_NUMBER "K12" at 51.555,70.845 h0.25; PIN_NUMBER "A12" at 51.555,75.345 h0.25; PIN_NUMBER "K3" at 47.157,70.845 h0.25; PIN_NUMBER "K2" at 46.657,70.845 h0.25; PIN_NUMBER "K1" at 46.157,70.845 h0.25; PIN_NUMBER "J14" at 52.555,71.345 h0.25; PIN_NUMBER "J13" at 52.055,71.345 h0.25; PIN_NUMBER "J12" at 51.555,71.345 h0.25; PIN_NUMBER "J3" at 47.157,71.345 h0.25; PIN_NUMBER "J2" at 46.657,71.345 h0.25; PIN_NUMBER "J1" at 46.157,71.345 h0.25; PIN_NUMBER "H14" at 52.555,71.845 h0.25; PIN_NUMBER "A11" at 51.055,75.345 h0.25; PIN_NUMBER "H13" at 52.055,71.845 h0.25; PIN_NUMBER "H12" at 51.555,71.845 h0.25; PIN_NUMBER "H3" at 47.157,71.845 h0.25; PIN_NUMBER "H2" at 46.657,71.845 h0.25; PIN_NUMBER "H1" at 46.157,71.845 h0.25; PIN_NUMBER "G14" at 52.555,72.345 h0.25; PIN_NUMBER "G13" at 52.055,72.345 h0.25; PIN_NUMBER "G12" at 51.555,72.345 h0.25; PIN_NUMBER "G3" at 47.157,72.345 h0.25; PIN_NUMBER "G2" at 46.657,72.345 h0.25; PIN_NUMBER "A10" at 50.555,75.345 h0.25; PIN_NUMBER "G1" at 46.157,72.345 h0.25; PIN_NUMBER "F14" at 52.555,72.845 h0.25; PIN_NUMBER "F13" at 52.055,72.845 h0.25; PIN_NUMBER "F12" at 51.555,72.845 h0.25; PIN_NUMBER "F3" at 47.157,72.845 h0.25; PIN_NUMBER "F2" at 46.657,72.845 h0.25; PIN_NUMBER "F1" at 46.157,72.845 h0.25; PIN_NUMBER "E14" at 52.555,73.345 h0.25; PIN_NUMBER "E13" at 52.055,73.345 h0.25; PIN_NUMBER "E12" at 51.555,73.345 h0.25; PIN_NUMBER "A9" at 50.157,75.345 h0.25; PIN_NUMBER "E3" at 47.157,73.345 h0.25; PIN_NUMBER "E2" at 46.657,73.345 h0.25; PIN_NUMBER "E1" at 46.157,73.345 h0.25; PIN_NUMBER "D14" at 52.555,73.845 h0.25; PIN_NUMBER "D13" at 52.055,73.845 h0.25; PIN_NUMBER "D12" at 51.555,73.845 h0.25; PIN_NUMBER "D4" at 47.657,73.845 h0.25; PIN_NUMBER "D3" at 47.157,73.845 h0.25; PIN_NUMBER "D2" at 46.657,73.845 h0.25; PIN_NUMBER "D1" at 46.157,73.845 h0.25; PIN_NUMBER "A8" at 49.657,75.345 h0.25; PIN_NUMBER "C14" at 52.555,74.345 h0.25; PIN_NUMBER "C13" at 52.055,74.345 h0.25; PIN_NUMBER "C12" at 51.555,74.345 h0.25; PIN_NUMBER "C11" at 51.055,74.345 h0.25; PIN_NUMBER "C10" at 50.555,74.345 h0.25; PIN_NUMBER "C9" at 50.157,74.345 h0.25; PIN_NUMBER "C8" at 49.657,74.345 h0.25; PIN_NUMBER "C7" at 49.157,74.345 h0.25; PIN_NUMBER "C5" at 48.157,74.345 h0.25; PIN_NUMBER "C3" at 47.157,74.345 h0.25; PIN_NUMBER "A2" at 46.657,75.345 h0.25; PIN_NUMBER "C1" at 46.157,74.345 h0.25; PIN_NUMBER "B14" at 52.555,74.845 h0.25; PIN_NUMBER "B13" at 52.055,74.845 h0.25; PIN_NUMBER "B12" at 51.555,74.845 h0.25; PIN_NUMBER "B11" at 51.055,74.845 h0.25; PIN_NUMBER "B10" at 50.555,74.845 h0.25; PIN_NUMBER "B9" at 50.157,74.845 h0.25; PIN_NUMBER "B8" at 49.657,74.845 h0.25; PIN_NUMBER "B7" at 49.157,74.845 h0.25; PIN_NUMBER "P14" at 52.555,68.845 h0.25; PIN_NUMBER "P13" at 52.055,68.845 h0.25; PIN_NUMBER "P12" at 51.555,68.845 h0.25; PIN_NUMBER "P11" at 51.055,68.845 h0.25; PIN_NUMBER "P9" at 50.157,68.845 h0.25; PIN_NUMBER "P8" at 49.657,68.845 h0.25; PIN_NUMBER "P7" at 49.157,68.845 h0.25; PIN_NUMBER "P2" at 46.657,68.845 h0.25; PIN_NUMBER "P1" at 46.157,68.845 h0.25; PIN_NUMBER "N14" at 52.555,69.345 h0.25; PIN_NUMBER "B1" at 46.157,74.845 h0.25; PIN_NUMBER "A1" at 46.157,75.345 h0.25; PIN_NUMBER "C6" at 48.657,74.345 h0.25; PIN_NUMBER "P3" at 47.157,68.845 h0.25; PIN_NUMBER "P5" at 48.157,68.845 h0.25; PIN_NUMBER "M4" at 47.657,69.845 h0.25; PIN_NUMBER "N4" at 47.657,69.345 h0.25; PIN_NUMBER "H5" at 48.157,71.845 h0.25; DISPLAY_BOTTOM "14" at 90.91,78.251 h0.51; DISPLAY_BOTTOM "13" at 90.402,77.616 h0.51; DISPLAY_BOTTOM "12" at 89.894,78.251 h0.51; DISPLAY_BOTTOM "11" at 89.259,77.616 h0.51; DISPLAY_BOTTOM "10" at 88.624,78.251 h0.51; DISPLAY_BOTTOM "9" at 87.901,77.616 h0.51; DISPLAY_BOTTOM "8" at 87.494,78.606 h0.51; DISPLAY_BOTTOM "7" at 86.986,77.971 h0.51; DISPLAY_BOTTOM "6" at 86.478,78.479 h0.51; DISPLAY_BOTTOM "5" at 85.97,77.971 h0.51; DISPLAY_BOTTOM "4" at 85.462,78.479 h0.51; DISPLAY_BOTTOM "3" at 84.954,77.971 h0.51; DISPLAY_BOTTOM "2" at 84.446,78.606 h0.51; DISPLAY_BOTTOM "N" at 86.326,68.091 h0.51; DISPLAY_BOTTOM "M" at 86.961,68.599 h0.51; DISPLAY_BOTTOM "L" at 86.326,69.107 h0.51; DISPLAY_BOTTOM "K" at 86.961,69.742 h0.51; DISPLAY_BOTTOM "J" at 86.453,70.25 h0.51; DISPLAY_BOTTOM "H" at 86.961,70.631 h0.51; DISPLAY_BOTTOM "G" at 86.453,71.139 h0.51; DISPLAY_BOTTOM "F" at 86.961,71.647 h0.51; DISPLAY_BOTTOM "E" at 86.453,72.155 h0.51; DISPLAY_BOTTOM "D" at 86.961,72.663 h0.51; DISPLAY_BOTTOM "C" at 86.58,73.044 h0.51; DISPLAY_BOTTOM "B" at 86.961,73.552 h0.51; Bottom Overlay "1" at 47.673,75.509 h0.51; Bottom Overlay "P" at 45.924,68.268 h0.51; Bottom Overlay "A" at 45.747,75.584 h0.51